# Altium PCB KK_Triangle_cubic_45.PcbDoc (part 1 of 2) (continued)
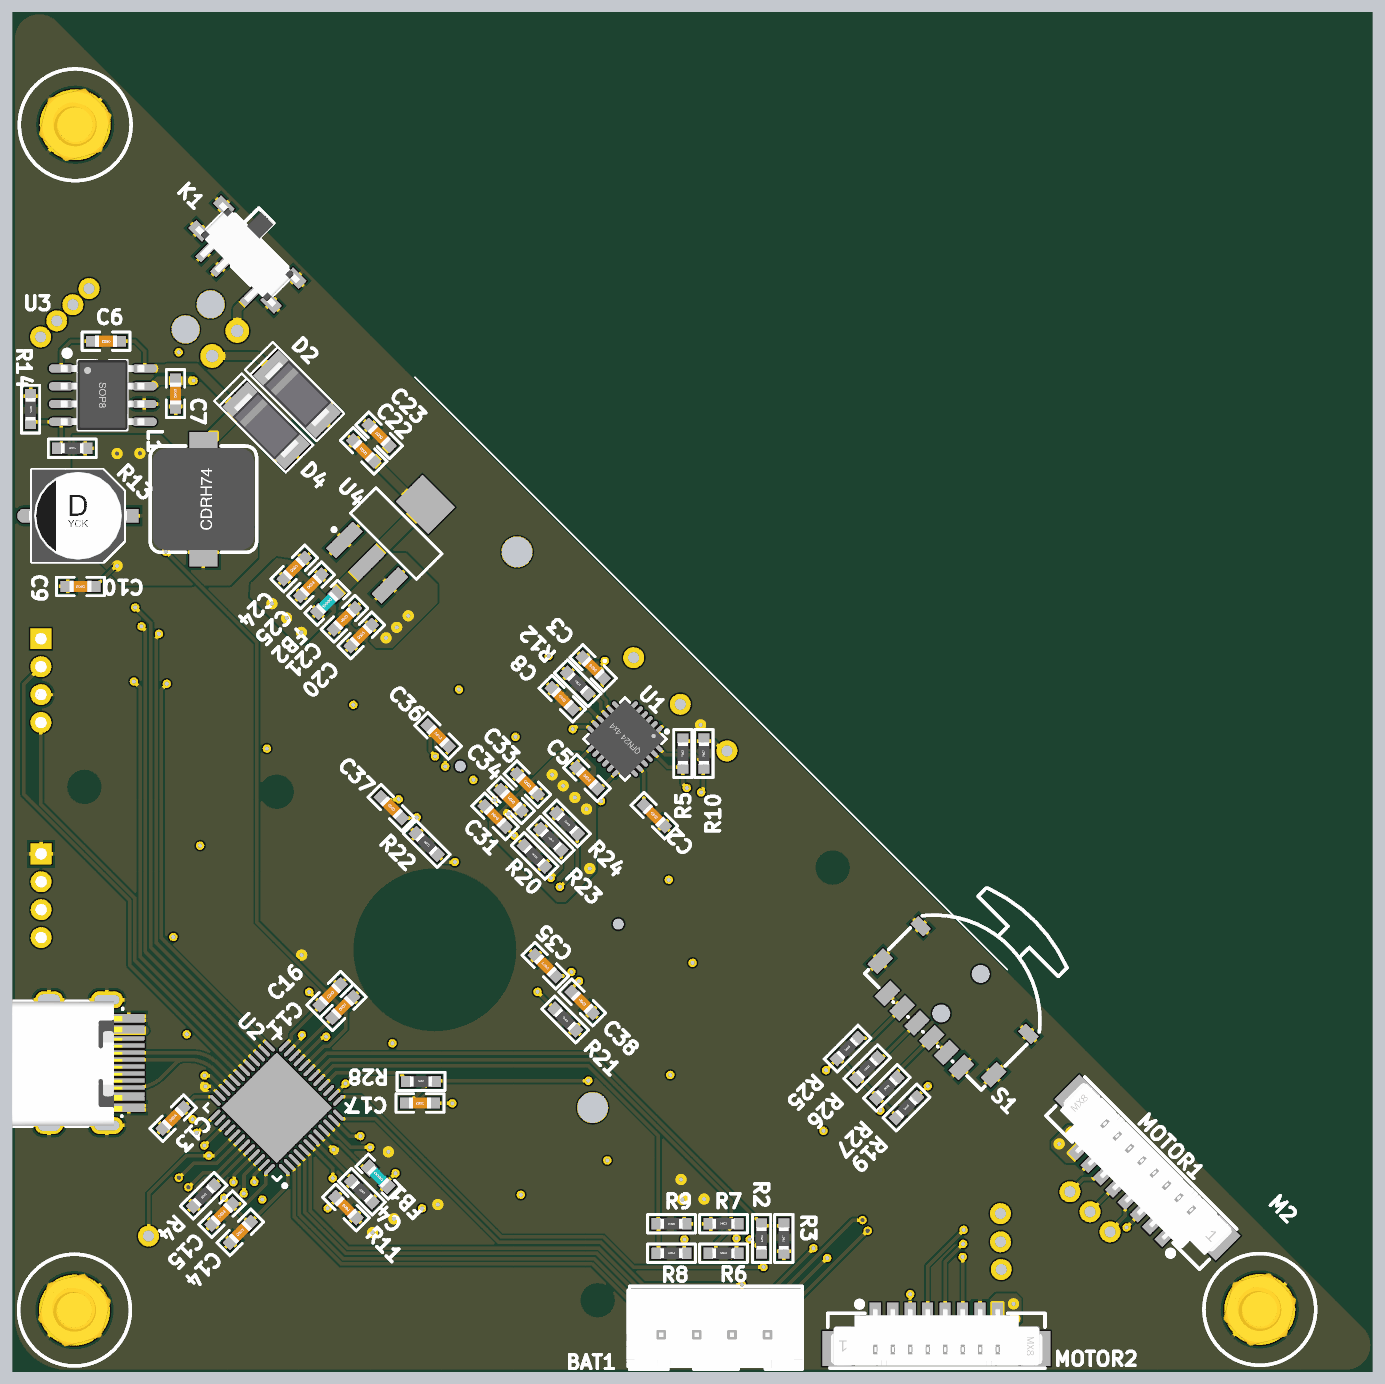
[diagram p6: 3D render of the assembled board from below, using the file's embedded part models]

## Layer stack, top to bottom
Top Solder: solder mask 0.4, Solder Resist, Dk 3.5
Top Layer: signal copper 1.4
Dielectric 2: prepreg 2.8, PP-006, Dk 4.1
POWER: signal copper 1.3778
Dielectric 1: dielectric 12.6, FR-4, Dk 4.8
GND: signal copper 1.3778
Dielectric 3: prepreg 2.8, PP-006, Dk 4.1
Bottom Layer: signal copper 1.4
Bottom Solder: solder mask 0.4, Solder Resist, Dk 3.5

## Board outline
-2569.7,-1189.28 cw(c-2569.36,-1115.39) -2621.24,-1062.78 1062.79,2621.24 cw(c1115.39,2569.36) 1189.28,2569.7 1189.28,-1047.85 cw(c1035.13,-1035.13) 1047.85,-1189.28
cut-out: -1964.07,-775.26

## Design rules (kind name [scope] priority, off if disabled: settings)
Clearance [All] p1: gap=4.92 ignorepadtopadclearanceinfootprint=TRUE except(0: Arc-Hole Track-Hole SMDPad-Hole THPad-Hole Via-Hole Fill-Hole Poly-Hole Region-Hole Text-Hole)
DiffPairsRouting [All] p1: maxlimit=10 minlimit=3.94 mostfreqgap=10 toplayer_minwidth=15 toplayer_maxwidth=15 toplayer_prefwidth=15 midlayer1_mingap=10 midlayer1_minwidth=15 midlayer1_maxwidth=15 midlayer1_prefwidth=15 midlayer2_mingap=10 midlayer2_minwidth=15 midlayer2_maxwidth=15 midlayer2_prefwidth=15 bottomlayer_minwidth=15 bottomlayer_maxwidth=15 bottomlayer_prefwidth=15 maxuncoupledlength=500
Height [All] p1: minheight=0 maxheight=1968.5 prefheight=500
HoleSize [All] p1: absolutevalues=TRUE maxlimit=11811.02 minlimit=7.87 maxpercent=80.000 minpercent=20.000
HoleToHoleClearance [All] p1: gap=5 allowstackedmicrovias=TRUE
MinimumSolderMaskSliver [All] p1: minsoldermaskwidth=0
PlaneConnect [All] p1: planeconnectstyle=Direct reliefexpansion=20 reliefentries=4 reliefconductorwidth=10 reliefairgap=10
PolygonConnect +12V [InNet('+12')] p1: connectstyle=Direct reliefconductorwidth=10 reliefentries=4 polygonreliefangle="90 Angle" airgapwidth=10
PolygonConnect PolygonConnect_3 [InNet('+12') vs HasFootprint('No Footprint')] p2: connectstyle=Direct reliefconductorwidth=10 reliefentries=4 polygonreliefangle="90 Angle" airgapwidth=10
PolygonConnect PolygonConnect_2 [All vs IsNamedPolygon('NONET_L02_P026')] p3: connectstyle=Direct reliefconductorwidth=10 reliefentries=4 polygonreliefangle="90 Angle" airgapwidth=10
PolygonConnect PolygonConnect_1 [All vs IsNamedPolygon('NONET_L02_P026')] p4: thpad.connectstyle=Direct thpad.reliefconductorwidth=10 thpad.reliefentries=4 thpad.polygonreliefangle="90 Angle" thpad.airgapwidth=10 smdpad.connectstyle=Relief smdpad.reliefconductorwidth=10 smdpad.reliefentries=4 smdpad.polygonreliefangle="90 Angle" smdpad.airgapwidth=10 via.connectstyle=Relief via.reliefconductorwidth=10 via.reliefentries=4 via.polygonreliefangle="90 Angle" via.airgapwidth=10
PolygonConnect [All] p5: thpad.connectstyle=Relief thpad.reliefconductorwidth=10 thpad.reliefentries=4 thpad.polygonreliefangle="90 Angle" thpad.airgapwidth=10 smdpad.connectstyle=Relief smdpad.reliefconductorwidth=10 smdpad.reliefentries=4 smdpad.polygonreliefangle="90 Angle" smdpad.airgapwidth=10 via.connectstyle=Direct via.reliefconductorwidth=10 via.reliefentries=4 via.polygonreliefangle="90 Angle" via.airgapwidth=10
RoutingVias [All] p1: holewidth=11.81 width=23.62 viastyle="Through Hole" minholewidth=7.87 minwidth=23.62 maxholewidth=28 maxwidth=50
SilkToSilkClearance [All] p1: silktosilkclearance=0
SilkToSolderMaskClearance [IsPad] p1: minsilkscreentomaskgap=0 clearancetoexposedcopper=TRUE
SolderMaskExpansion [All] p1: expansion=4
UnRoutedNet [All] p1: checkbadconnections=TRUE
Width [All] p1: maxlimit=39.37 minlimit=5 preferedwidth=10 toplayer_prefwidth=5 midlayer1_minwidth=10 midlayer2_minwidth=10 bottomlayer_prefwidth=5 minimp=50.000000 maximp=50.000000 favimp=50.000000
21 further rules are at their usual default settings.

## Components (designator, comment, footprint, x,y, rotation, side; value= is the part's Value field where it differs from the comment)
1 "+12" TEST_POINT#1 -560.74,823.78 r315 top
2 "+5" TEST_POINT#2 -697.21,687.31 r315 top
3 "+3.3" TEST_POINT#3 -833.68,550.84 r315 top
BAT1 "BALANCE_PORT" XH2.54-LI-4P -788.42,-1085.41 r0 bottom
C1 "TYPE_C_16Pin" USB-C-SMD_TYPE-C-USB-5 975.81,-318.2 r270 bottom locked
C2 "Cap" "C 0603_M" -618.72,378.3 r225 bottom value=2.2nF
C3 "Cap" "C 0603_M" -446.51,795.4 r45 bottom value=100nF
C4 "Cap" "C 0603_M" 250.32,-726.91 r45 bottom value=100nF
C5 "Cap" "C 0603_M" -429.21,484.37 r225 bottom value=10nF
C6 "Cap" "C 0603_M" 927.02,1716.15 r0 bottom value=10nF
C7 "Cap" "C 0603_M" 731.15,1568.63 r90 bottom value=10uF
C8 "Cap" "C 0603_M" -359.42,708.31 r225 bottom value=100nF
C9 "Cap2" "CM D(6.3*7.7)" 1006.21,1224 r180 bottom value=220uF
C10 "Cap" "C 0603_M" 999.14,1024.6 r0 bottom value=100nF
C11 "Cap" "C 0603_M" 259.44,-162 r135 bottom value=4.7uF
C12 "Cap" "C 0603_M" 692.96,695.79 r225 top value=10uF
C13 "Cap" "C 0603_M" 737.73,-474.69 r135 bottom value=10uF
C14 "Cap" "C 0603_M" 548.52,-797.04 r135 bottom value=100nF
C15 "Cap" "C 0603_M" 600.21,-745.35 r135 bottom value=100nF
C16 "Cap" "C 0603_M" 295.03,-126.41 r315 bottom value=100nF
C17 "Cap" "C 0603_M" 41.73,-432.06 r0 bottom value=4.7uF
C19 "Cap" "C 0603_M" 647.71,742.46 r225 top value=100nF
C20 "Cap" "C 0603_M" 207.58,886.54 r135 bottom value=100nF
C21 "Cap" "C 0603_M" 254.78,933.74 r135 bottom value=10uF
C22 "Cap" "C 0603_M" 200.63,1406.95 r45 bottom value=100nF
C23 "Cap" "C 0603_M" 156.79,1450.8 r45 bottom value=10uF
C24 "Cap" "C 0603_M" 396.37,1075.34 r135 bottom value=100nF
C25 "Cap" "C 0603_M" 349.17,1028.14 r135 bottom value=10uF
C30 "Cap" "C 0603_M" -1363.78,-523.08 r270 top value=100nF
C31 "Cap" "C 0603_M" -169.71,376.18 r225 bottom value=4.7uF
C32 "Cap" "C 0603_M" 680.94,1457.35 r315 top value=100nF
C33 "Cap" "C 0603_M" -260.92,467.4 r225 bottom value=1uF
C34 "Cap" "C 0603_M" -215.31,421.79 r225 bottom value=1uF
C35 "Cap" "C 0603_M" -311.83,-44.55 r45 bottom value=4.7uF
C36 "Cap" "C 0603_M" -9.19,603.16 r225 bottom value=1uF
C37 "Cap" "C 0603_M" 122.33,400.93 r225 bottom value=1uF
C38 "Cap" "C 0603_M" -415.78,-148.49 r225 bottom value=2.2uF
D1 "LED1" "LED 0805G" 195.16,-195.16 r45 top
D2 "Diode 1N4934" 1N5819(SMD) 326.35,1505.06 r45 bottom
D3 "Diode 1N4934" SOD-323 989.95,-246.07 r225 top
D4 "Diode 1N4934" 1N5819(SMD) 413.32,1416.67 r45 bottom
D5 "LED1" "LED 0805G" -464.57,803.98 r45 top
D6 "LED1" "LED 0805G" -616.02,652.53 r225 top
D7 "LED1" "LED 0805G" -812.47,456.08 r225 top
D8 "WS2812B" WS2812B-2020 557.2,-557.2 r45 top locked
D9 "WS2812B" WS2812B-2020 301.23,-728.32 r22.5 top locked
D10 "WS2812B" WS2812B-2020 0,-787.72 r0 top locked
D11 "WS2812B" WS2812B-2020 -301.23,-726.91 r337.5 top locked
D12 "WS2812B" WS2812B-2020 -726.91,301.23 r247.5 top locked
D13 "WS2812B" WS2812B-2020 -787.01,-0.71 r270 top locked
D14 "WS2812B" WS2812B-2020 -726.91,-301.23 r292.5 top locked
D15 "WS2812B" WS2812B-2020 -556.49,-556.49 r315 top locked
D16 "WS2812B" WS2812B-2020 -556.49,556.49 r225 top locked
D17 "WS2812B" WS2812B-2020 -301.23,726.91 r202.5 top locked
D18 "WS2812B" WS2812B-2020 0,787.72 r180 top locked
D19 "WS2812B" WS2812B-2020 301.93,727.61 r157.5 top locked
D20 "WS2812B" WS2812B-2020 728.32,-301.23 r67.5 top locked
D21 "WS2812B" WS2812B-2020 787.72,0 r90 top locked
D22 "WS2812B" WS2812B-2020 728.32,301.23 r112.5 top locked
D23 "WS2812B" WS2812B-2020 557.2,557.2 r135 top locked
FB1 "BLM18AG102SN1" "L 0603" 159.45,-639.58 r45 bottom
FB2 "BLM18AG102SN1" "L 0603" 303.04,978.46 r315 bottom
FB3 "BLM18AG102SN1" "L 0603" -1426.78,-525.08 r90 top
FB4 "BLM18AG102SN1" "L 0603" -1146.93,-545.53 r90 top
FB5 "BLM18AG102SN1" "L 0603" 635.69,1407.85 r135 top
FB6 "BLM18AG102SN1" "L 0603" 721.96,1608.67 r90 top
J1 "JST_COM" JST_COM 1137.73,1185.82 r45 top
K1 "SW-MSK-12C02" MSK-12C01-07 528.21,1960.81 r45 bottom locked
L1 "Inductor" CDRH74 652.66,1270.67 r270 bottom value=22uH
M1 "M3" M3x40+6_L 1014.14,2326.52 r45 bottom locked
M2 "M3" M3x40+6_L -2326.53,-1014.14 r45 bottom locked
M3 "M3" M3x40+6_L 1016.12,-1016.12 r45 bottom locked
M4 "M1_A_3V3" TEST_POINT#1 975.1,1864.64 r225 top
M5 "M1_PWM_5V" TEST_POINT#1 -1791.1,-682.36 r180 top
M6 "M1_B_3V3" TEST_POINT#1 1020.59,1819.15 r225 top
M7 "M2_PWM_5V" TEST_POINT#1 -1597.35,-901.56 r315 top
M8 "M2_A_3V3" TEST_POINT#1 1066.08,1773.66 r225 top
M9 "M1_DIR_5V" TEST_POINT#1 -1847.67,-738.93 r180 top
M10 "M2_B_3V3" TEST_POINT#1 1111.57,1728.17 r225 top
M11 "M2_DIR_5V" TEST_POINT#1 -1595.47,-823.54 r315 top
M12 "M1_DIR_5V" TEST_POINT#1 -1904.24,-795.5 r180 top
M13 "M2_DIR_5V" TEST_POINT#1 -1595.23,-743.88 r315 top
M14 "M2.2" H2.2#1 2760.11,1167.16 r225 top
M15 "M2.2" H2.2#2 -231.9,1122.02 r225 top
M16 "M2.2" H2.2#3 351.42,-1241.54 r225 top
M17 "M2.2" H2.2#4 3226.8,1633.85 r225 top
M18 "M2.2" H2.2#5 3031.64,895.63 r225 top
M19 "M2.2" H2.2#6 3187.21,1051.19 r225 top
MOTOR1 "NIDEC_MOTOR" "MX 1.25-LS-8P" -1998.99,-624.38 r45 bottom locked
MOTOR2 "NIDEC_MOTOR" "MX 1.25-LS-8P" -1414.92,-1109.45 r180 bottom locked
R1 "Res2" "R 0603_M" 323.15,-67.18 r225 top value=4.7K
R2 "Res2" "R 0603_M" -921.55,-814.1 r270 bottom value=96K
R3 "Res2" "R 0603_M" -984.32,-814.1 r90 bottom value=30K
R4 "Res2" "R 0603_M" 651.9,-693.66 r315 bottom value=10K
R5 "Res2" "R 0603_M" -699.61,553.38 r90 bottom value=4.7K
R6 "Res2" "R 0603_M" -814.32,-855.6 r180 bottom value=54K
R7 "Res2" "R 0603_M" -814.32,-772.6 r180 bottom value=30K
R8 "Res2" "R 0603_M" -667.32,-855.6 r180 bottom value=12K
R9 "Res2" "R 0603_M" -667.32,-772.6 r0 bottom value=30K
R10 "Res2" "R 0603_M" -758.81,553.58 r90 bottom value=4.7K
R11 "Res2" "R 0603_M" 205.41,-682 r225 bottom value=10K
R12 "Res2" "R 0603_M" -402.97,751.86 r225 bottom value=4.7K
R13 "Res2" "R 0603_M" 1022.48,1414.21 r180 bottom value=10K
R14 "Res2" "R 0603_M" 1139.86,1524.52 r270 bottom value=3.24K
R15 "Res2" "R 0603_M" -386.43,928.08 r315 top value=1K2
R16 "Res2" "R 0603_M" -740.69,573.82 r315 top value=500R
R17 "Res2" "R 0603_M" -937.98,376.53 r315 top value=330R
R18 "Res2" "R 0603_M" 637.81,-637.81 r45 top value=0/UN
R19 "Res2" "R 0603_M" -1330.07,-444.78 r135 bottom value=1K
R20 "Res2" "R 0603_M" -281.43,264.46 r225 bottom value=4.7K
R21 "Res2" "R 0603_M" -367.7,-196.58 r225 bottom value=910K
R22 "Res2" "R 0603_M" 22.63,298.4 r225 bottom value=4.7K/UN
R23 "Res2" "R 0603_M" -327.31,310.34 r225 bottom value=4.7K
R24 "Res2" "R 0603_M" -373.2,356.23 r225 bottom value=4.7K
R25 "Res2" "R 0603_M" -1163.83,-278.53 r135 bottom value=3K
R26 "Res2" "R 0603_M" -1219.24,-333.95 r135 bottom value=2K
R27 "Res2" "R 0603_M" -1274.66,-389.36 r135 bottom value=1K
R28 "Res2" "R 0603_M" 38.89,-371.23 r180 bottom value=4.7K
RGB_IO "RGB_IO" TEST_POINT#4 827.31,-820.24 r315 top
S1 "TM-1011A" TM-1011A -1460.01,-147.62 r225 bottom
S2 "SW-SPST" "TSW SMD-3*6*2.5" 723.81,-723.81 r225 top locked
SW1 "Header_4" PH2.0-L-Z-4P 1110.16,270.62 r270 top locked
U1 "MPU6050" "QFN24 4x4_M" -536.38,594.47 r45 bottom
U2 "STM32F401CCUX" STM-UFQFPN48_M 445.42,-445.42 r45 bottom locked
U3 "TPS5430DDAR" TPS5430DDAR 1053.21,1639.12 r270 bottom
U4 "AMS1117_3V3" SOT223_M 108.89,1173.8 r135 bottom
U5 "NRF24L01" NRF24L01_MIN 572.05,813.88 r45 top locked
U7 "SN74LVC4245APWR" TSSOP24_M -1280.59,-779.49 r0 top
U8 "0.96_OLED_128x64" 0.96_OLED -62.06,62.38 r225 top locked
U9 "SN74LVC4245APWR" TSSOP24_M 917.82,1449.57 r90 top locked
UART1 "Header_4" PH2.0-L-Z-4P 1110.85,877.08 r270 top

## Footprints (in the part's own frame and the unit in brackets; to place one, negate y for a bottom-side part, rotate by r counter-clockwise, add the part's x,y. Pads: shape width x height; smd on the part's side, far side on the other; paste and mask are expansions set on the pad)
0.96_OLED [mm] "QG-2864KSWEG01"
  rect 0.351x2.499 smd: 1(-10.149,-5.256) 2(-9.449,-5.258) 3(-8.749,-5.258) 4(-8.049,-5.258) 5(-7.349,-5.258) 6(-6.649,-5.258) 7(-5.949,-5.258) 8(-5.25,-5.258) 9(-4.55,-5.258) 10(-3.85,-5.258) 11(-3.15,-5.258) 12(-2.45,-5.258) 13(-1.75,-5.258) 14(-1.05,-5.258) 15(-0.35,-5.258) 16(0.35,-5.258) 17(1.05,-5.258) 18(1.75,-5.258) 19(2.45,-5.258) 20(3.15,-5.258) 21(3.85,-5.258) 22(4.55,-5.258) 23(5.25,-5.258) 24(5.949,-5.258) 25(6.649,-5.258) 26(7.349,-5.258) 27(8.049,-5.258) 28(8.749,-5.26) 29(9.449,-5.261) 30(10.149,-5.261)
  round 0.8 hole 0.8 unplated: ""(-8,-8.358) ""(8,-8.358)
  silkscreen extent -13.32,-12.8 13.35,7.01
1N5819(SMD) [mil] "淘宝ID:黄晶宝石"
  rect 75x100 smd: A(0,0) K(175,0)
  silkscreen extent -45,-55 240,55, body extent -15,-51 190,51, height 95
"C 0603_M" [mil] "无极性贴片电容                                淘宝ID:黄晶宝石"
  rect 40x30 smd: 1(-36.5,0) 2(36.5,0)
  silkscreen extent -67,-26 67,26, body extent -31,-16 31,16, height 32
CDRH74 [mm] "7.3*7.3*4.5mm（长宽高）"
  rect 2x2 smd: 1(-3.81,0) 2(3.81,0)
  silkscreen extent -3.81,-3.81 3.81,3.81, body extent -3.65,-3.65 3.65,3.65, height 4.5
"CM D(6.3*7.7)" [mm] "贴片电解电容，直径6.3mm，高7.7mm         淘宝ID:黄晶宝石"
  rect 2.7x1 smd: 1(3,0)
  oval 2.7x1 smd: 2(-3,0)
  silkscreen extent -3.3,-3.3 3.3,3.3, body extent -3.5,-3.3 3.5,3.3, height 7.7
H2.2#1 [mm] "H2.5"
  round 2.2 hole 2.2: 1(86.523,-52.927)
H2.2#2 [mm] "H2.5"
  round 2.2 hole 2.2: 1(0,0)
H2.2#3 [mm] "H2.5"
  round 2.2 hole 2.2: 1(0,-28.61)
H2.2#4 [mm] "H2.5"
  round 2.2 hole 2.2: 1(71.287,-28.61)
H2.2#5 [mm] "H2.5"
  round 2.2 hole 2.2: 1(96.536,-28.864)
H2.2#6 [mm] "H2.5"
  round 2.2 hole 2.2: 1(50.124,-28.864)
JST_COM [mm] "JST_COM"
  round 1.7 hole 0.9: 1(-0.381,17.932) 2(-0.381,20.472)
  round 2 hole 2: ""(2.311,17.932) ""(2.311,20.472)
  silkscreen extent -2.87,17.32 1.04,20.62
"L 0603" [mil] "小功率贴片电感        淘宝ID:黄晶宝石"
  rect 35x35 smd: 1(-35,0) 2(35,0)
  silkscreen extent -65,-25 65,25, body extent -31,-16 31,16, height 31
"LED 0805G" [mil] "绿色0805LED                              淘宝ID:黄晶宝石"
  rect 60x50 smd: 1(-50,0)
  oct 60x50 smd: 2(50,0)
  silkscreen extent -90,-35 105,35, body extent -39,-25 39,25, height 32
M3x40+6_L [mil] "M3铜柱，长：40mm，螺纹长：6mm"
  round 200 hole 125: 1(0,0)
  silkscreen extent -157,-157 157,157, body extent -106,-93 106,93, height 1577
MSK-12C01-07 [mm] "6.7*2.8*1.5mm(长宽高）      淘宝ID:黄晶宝石"
  rect 1.4x0.8 smd: 0(-3.65,-1.25) 0(-3.65,1.25) 0(3.65,-1.25) 0(3.65,1.25)
  rect 0.6x1.5 smd: 1(-2.25,1.996) 2(0.75,1.996) 3(2.25,1.996)
  round 0.8 hole 0.8: ""(-1.5,0) ""(1.5,0)
  silkscreen extent -3.35,-2.92 3.35,1.4, body extent -3.92,-2.9 3.92,2.4, height 1.5
"MX 1.25-LS-8P" [mm] "长：14.75m，宽：3.7mm，高：4.7mm"
  rect 2.1x2.5 smd: 0(-7.132,-0.381) 0(7.104,-0.381)
  rect 0.8x1.3 smd: 1(-4.389,2.261) 2(-3.139,2.261) 3(-1.889,2.261) 4(-0.639,2.261) 5(0.611,2.261) 6(1.861,2.261) 7(3.111,2.261) 8(4.361,2.261)
  silkscreen extent -7.79,-1.78 7.77,2.99, body extent -7.58,-1.6 7.58,2.5, height 4.7
NRF24L01_MIN [mm] "NRF24L01_MIN"
  oval 1x3 smd: 1(0,0) 2(1.27,0) 3(2.54,0) 4(3.81,0) 5(5.08,0) 6(6.35,0) 7(7.62,0) 8(8.89,0)
  silkscreen extent -1.65,0 10.41,18.03
PH2.0-L-Z-4P [mm] "PH2.0 4P立式直插 间距2mm        淘宝ID:黄晶宝石"
  rect 1.5x1.5 hole 0.8: 1(0,0)
  round 1.5 hole 0.8: 2(2,0) 3(4,0) 4(6,0)
  silkscreen extent -2.13,-3.08 8.03,1.82, body extent -1.98,-3 7.92,1.7, height 6
"QFN24 4x4_M" [mm] "24脚，长x宽x高：4x4x1mm，脚距：0.5mm"
  rect 0.3x1 smd: 1(-1.25,-2)
  oval 0.3x1 smd: 2(-0.75,-2) 3(-0.25,-2) 4(0.25,-2) 5(0.75,-2) 6(1.25,-2) 13(1.25,2) 14(0.75,2) 15(0.25,2) 16(-0.25,2) 17(-0.75,2) 18(-1.25,2)
  oval 1x0.3 smd: 7(2,-1.25) 8(2,-0.75) 9(2,-0.25) 10(2,0.25) 11(2,0.75) 12(2,1.25) 19(-2,1.25) 20(-2,0.75) 21(-2,0.25) 22(-2,-0.25) 23(-2,-0.75) 24(-2,-1.25)
  rect 1x1 smd: 25(0,0)
  Top Layer region: -1,1 1,1 1,-1 -0.75,-1 -1,-0.75
  silkscreen extent -2.11,-2.6 2.11,2.11, body extent -2.01,-2.01 2.01,2.01, height 0.95
"R 0603_M" [mil] "1/10W贴片电阻                             淘宝ID:黄晶宝石"
  rect 40x31.5 smd: 1(-36.5,0) 2(36.5,0)
  silkscreen extent -67,-26 68,26, body extent -31,-16 31,16, height 16
SOD-323 [mm] "1.8x1.3X0.9mm（长宽高，不包括引脚）"
  rect 1x0.8 smd: A(-1.4,0)
  oct 1x0.8 smd: K(1.4,0)
  silkscreen extent -2.11,-0.76 2.11,0.76, body extent -1.34,-0.63 1.31,0.67, height 1
SOT223_M [mm] "SOT223, 4-Leads, Body 6.5x3.5mm, Pitch 2.3mm, Lead Span 7mm, IPC Low Density"
  rect 2.7x1 smd: 1(-2.95,2.3) 2(-2.95,0) 3(-2.95,-2.3)
  rect 2.7x3.3 smd: 4(2.95,0)
  silkscreen extent -3.07,-3.35 1.3,3.47, body extent -1.85,-3.35 1.85,3.35, height 1.7
STM-UFQFPN48_M [mm] "QFN, 48-Leads, Body 7.1x7.1mm, Pitch 0.5mm, Thermal Pad 5.6x5.6mm, IPC Low Density"
  oval 1x0.25 smd: 1(-3.5,2.75) 2(-3.5,2.25) 3(-3.5,1.75) 4(-3.5,1.25) 5(-3.5,0.75) 6(-3.5,0.25) 7(-3.5,-0.25) 8(-3.5,-0.75) 9(-3.5,-1.25) 10(-3.5,-1.75) 11(-3.5,-2.25) 12(-3.5,-2.75) 25(3.5,-2.75) 26(3.5,-2.25) 27(3.5,-1.75) 28(3.5,-1.25) 29(3.5,-0.75) 30(3.5,-0.25) 31(3.5,0.25) 32(3.5,0.75) 33(3.5,1.25) 34(3.5,1.75) 35(3.5,2.25) 36(3.5,2.75)
  oval 0.25x1 smd: 13(-2.75,-3.5) 14(-2.25,-3.5) 15(-1.75,-3.5) 16(-1.25,-3.5) 17(-0.75,-3.5) 18(-0.25,-3.5) 19(0.25,-3.5) 20(0.75,-3.5) 21(1.25,-3.5) 22(1.75,-3.5) 23(2.25,-3.5) 24(2.75,-3.5) 37(2.75,3.5) 38(2.25,3.5) 39(1.75,3.5) 40(1.25,3.5) 41(0.75,3.5) 42(0.25,3.5) 43(-0.25,3.5) 44(-0.75,3.5) 45(-1.25,3.5) 46(-1.75,3.5) 47(-2.25,3.5) 48(-2.75,3.5)
  rect 5.6x5.6 smd: 49(0,0)
  silkscreen extent -4.47,-3.7 3.7,3.7, body extent -3.55,-3.55 3.55,3.55, height 0.6
TEST_POINT#1 [mm] "TEST_POINT"
  round 1.5 hole 0.8: 1(0,0)
TEST_POINT#2 [mm] "TEST_POINT"
  round 1.5 hole 0.8: 1(0,0.178)
TEST_POINT#3 [mm] "TEST_POINT"
  round 1.5 hole 0.8: 1(0,0.356)
TEST_POINT#4 [mm] "TEST_POINT"
  round 1.5 hole 0.8: 1(-0.591,-0.127)
TM-1011A [mm] "TM-1011A"
  rect 1.3x0.8 smd: a1(-5.45,2.238) a2(5.45,2.238)
  rect 1x1.6 smd: b(3.75,-2.853) c(2.25,-2.853) d(0.75,-2.853) e(-0.75,-2.853) f(-2.25,-2.853) g(-3.75,-2.853) s1(-5.75,-1.597) s2(5.75,-1.597)
  round 1.3 hole 1.3 unplated: ""(0,2.853) ""(0,-1.147)
  silkscreen extent -5.9,-3 5.9,8.27
TPS5430DDAR [mm] "TPS5430DDAR"
  oval 0.6x1.798 smd: 1(0,0) 2(1.27,0) 3(2.54,0) 4(3.81,0) 5(3.81,5.944) 6(2.54,5.944) 7(1.27,5.944) 8(0,5.944)
  rect 3.45x2.56 smd: 9(1.905,2.972)
  silkscreen extent -1.25,0.26 4.4,4.71, body extent -0.6,-0.05 4.4,5.96, height 1.9
TSSOP24_M [mm] "7.8*6.4*1mm（长宽高） 封装库来自淘宝卖家 ID：黄晶宝石"
  oval 1.7x0.35 smd: 1(-3.15,3.575) 2(-3.15,2.925) 3(-3.15,2.275) 4(-3.15,1.625) 5(-3.15,0.975) 6(-3.15,0.325) 7(-3.15,-0.325) 8(-3.15,-0.975) 9(-3.15,-1.625) 10(-3.15,-2.275) 11(-3.15,-2.925) 12(-3.15,-3.575) 13(3.15,-3.575) 14(3.15,-2.925) 15(3.15,-2.275) 16(3.15,-1.625) 17(3.15,-0.975) 18(3.15,-0.325) 19(3.15,0.325) 20(3.15,0.975) 21(3.15,1.625) 22(3.15,2.275) 23(3.15,2.925) 24(3.15,3.575)
  silkscreen extent -3.69,-3.81 1.78,4.32, body extent -3.2,-3.9 3.2,3.9, height 1.03
"TSW SMD-3*6*2.5" [mm] "3*6*2.5mm"
  rect 2x1.5 smd: 1(-3.996,-0.02) 2(3.937,0)
  silkscreen extent -3.21,-1.9 3.09,1.9, body extent -4,-1.88 4,1.62, height 2.59
USB-C-SMD_TYPE-C-USB-5 [mm]
  oval 1.2x2 hole 0.8 slot 1.6 at 90 deg: 0(-4.5,-2.85) 0(4.5,-2.85)
  oval 1.2x2.3 hole 0.7 slot 1.8 at 90 deg: 0(-4.5,1.3) 0(4.5,1.3)
  rect 0.3x2.286 smd: A1(-3.322,2.85) A4(-2.522,2.85) A5(-1.222,2.85) A6(-0.222,2.85) A7(0.278,2.85) A8(-1.722,2.85) A9(2.578,2.85) A12(3.378,2.85) B1(3.078,2.85) B4(2.278,2.85) B5(1.778,2.85) B6(0.778,2.85) B7(-0.722,2.85) B8(1.278,2.85) B9(-2.222,2.85) B12(-3.022,2.85)
  round 0.75 hole 0.75 unplated: ""(-2.878,0.793) ""(2.902,0.793)
  silkscreen extent -4.38,-5.45 4.56,2.43, body extent -4.39,-5.49 4.55,2.41, height 3.25
WS2812B-2020 [mm] "WS2812B-2020"
  rect 0.9x0.7 smd: 1(-0.915,0.55) 2(-0.915,-0.55) 3(0.915,-0.55) 4(0.915,0.55)
  silkscreen extent -1.3,-1.1 1,1.15
XH2.54-LI-4P [mm] "接插件，4P  淘宝ID:黄晶宝石   店铺网址:https://shop463601444.taobao.com"
  rect 1.7x1.7 hole 0.9: 1(-3.81,0)
  round 1.7 hole 0.9: 2(-1.27,0) 3(1.27,0) 4(3.81,0)
  silkscreen extent -6.3,-3.45 6.07,2.49, body extent -6.31,-3.3 6.31,2.4, height 7.03

## Part data
1 2 3 M4 M5 M6 M7 M8 M9 M10 M11 M12 M13 RGB_IO: library part TEST_POINT
C2 C3 C4 C5 C6 C7 C8 C9 C10 C11 C12 C13 C14 C15 C16 C17 C19 C20 C21 C22 C23 C24 C25 C30 C31 C32 C33 C34 C35 C36 C37 C38: "Capacitor", Publisher="Altium Limited"
  C2 C3 C4 C5 C6 C7 C8 C10 C11 C12 C13 C14 C15 C16 C17 C19 C20 C21 C22 C23 C24 C25 C30 C31 C32 C33 C34 C35 C36 C37 C38: LatestRevisionDate=17-Jul-2002, LatestRevisionNote="Re-released for DXP Platform.", PackageDescription="Radial Cap, Thru-Hole; 2 Leads; 0.3 in Pin Spacing", PackageReference=RAD-0.3, Published=8-Jun-2000
  C9: PackageDescription="Capacitor; 2 Leads", PackageReference=CAPR5-4X5, Published=23-Sep-2002
D1 D5 D6 D7: "Typical RED GaAs LED", LatestRevisionDate=08-Jul-2005, LatestRevisionNote="Mech Layer 1 removed.", PackageDescription="LED; 2 Leads", PackageReference=LED-1, Published=8-Jun-2000, Publisher="Altium Limited"
D2 D3 D4: "1 Amp Fast Recovery Rectifier", Code_JEDEC=DO-204-AL, ComponentLink1Description="Manufacturer Link", ComponentLink1URL=http://www.fairchildsemi.com/, ComponentLink2Description=Datasheet, ComponentLink2URL=http://www.fairchildsemi.com/ds/1N%2F1N4934.pdf, DatasheetVersion=1999, LatestRevisionDate=17-Jul-2002, LatestRevisionNote="Re-released for DXP Platform.", PackageDescription="Diode, Axial; Body 5.2 x 2.7 mm (LxDia. max), Lead Dia. 0.86 mm (max)", PackageReference=DO-41, PackageVersion=Aug-1999, Published=8-Jun-2000, Publisher="Altium Limited"
D8 D9 D10 D11 D12 D13 D14 D15 D16 D17 D18 D19 D20 D21 D22 D23: library part WS2812B_2020
R1 R2 R3 R4 R5 R6 R7 R8 R9 R10 R11 R12 R13 R14 R15 R16 R17 R18 R19 R20 R21 R22 R23 R24 R25 R26 R27 R28: "Resistor", LatestRevisionDate=17-Jul-2002, LatestRevisionNote="Re-released for DXP Platform.", PackageDescription="Axial Device, Thru-Hole; 2 Leads; 0.4 in Pin Spacing", PackageReference=AXIAL-0.4, Published=8-Jun-2000, Publisher="Altium Limited"
S2: "Single-Pole, Single-Throw Switch", LatestRevisionDate=17-Jul-2002, LatestRevisionNote="Re-released for DXP Platform.", PackageDescription="Switch; 2 Leads", PackageReference=SPST-2, Published=24-Mar-1999, Publisher="Altium Limited"
L1: Code_IEC=1005, Code_JEITA=0402, LatestRevisionDate=29-May-2009, LatestRevisionNote="IPC-7351 Footprint Added.", PackageDescription="Chip Inductor", PackageReference=0402-A, Published=8-Jun-2000, Publisher="Altium Limited"

## Via types
v1: diameter 23.62, hole 11.81, Top Layer to Bottom Layer, 126 vias
v2: diameter 19.68, hole 7.87, Top Layer to Bottom Layer, 25 vias

## Nets (pads, with @x,y where several pads share a name; then routed paths per layer and width w, separated by ;. In a path a pad name is that pad's centre, name@x,y a point inside that pad or via, vN(x,y) a via of type N, cw(c..) or ccw(c..) an arc to the next point about the centre after c; other vN are vias at no path point)
+3.3: 3.1 C3.1 C5.1 C12.2 C13.2 C14.2 C15.2 C16.2 C17.1 C19.2 C24.1 C25.1 C33.2 C34.2 D7.1 FB1.1 FB2.2 FB4.2 FB6.2 R5.2 R10.2 R11.2 R19.2 R20.2 R23.1 R24.1 SW1.4 U1.8 U1.13 U2.1 U2.24 U2.36 U2.48 U5.1 U8.6 U8.9 U8.11 | length 2303.3
  Top Layer w10: FB4.2@-1146.93,-510.53 v1(-1096.02,-510.53) ; 3.1@-831.21,555.6 D7.1@-785.24,509.64 ; v1@-207.89,381.84 v1(-207.89,383.25) -121.08,296.44 U8.11@-120.76,296.44 ; v1(-169,422.14) -169.71,422.85 -169.71,423.33 U8.9@-81.78,335.41 ; v1(-108.8,479.34) U8.6@-23.33,393.86 ; FB6.2@721.96,1643.67 v1(721.96,1685.04)
  Top Layer w15.75: U5.1@572.05,813.88 572.05,807.49 625.44,754.1 C19.2@625.44,720.19
  Top Layer w23.62: v1(417.84,935.56) 450.37,935.56 U5.1@572.05,813.88 ; C19.2@625.44,720.19 623.8,718.55 623.8,714.04 667.16,670.69 C12.2@667.16,669.98
  Bottom Layer w10: v1(-1390.35,-384.5) R19.2@-1355.88,-418.97 ; 3.1@-823.78,560.74 -814.66,560.74 -787.35,588.04 R5.2@-714.18,588.04 ; U1.8@-501.58,671.03 -501.58,671.52 -482.84,690.26 -482.84,703.2 -472.47,713.57 C3.1@-472.47,769.45 ; v1@-480.91,813.09 v1(-479.42,814.59) -472.32,807.49 C3.1@-472.32,769.59 ; U1.13@-445.9,573.59 -400.02,527.71 -400.02,513.57 C5.1@-403.4,510.18 ; v1(-49.48,-433.01) C17.1@5.69,-433.01 ; v1(110.83,-630.22) 136.87,-656.26 FB1.1@136.87,-662.17 ; FB1.1@142.54,-669.67 143.95,-669.67 R11.2@175.6,-701.32 ; C16.2@313.86,-147.07 325.99,-147.07 v1(354.29,-118.77) ; C16.2@325.06,-159.97 404.28,-239.19 404.28,-251.16 U2.24@424.54,-271.43 ; U2.1@424.54,-619.41 414.21,-629.74 414.21,-662.74 C14.2@522.71,-771.23 574.36,-719.57 574.43,-719.57 v1(594.68,-699.33) ; U2.48@466.3,-619.41 476.63,-629.74 476.63,-660.48 532.16,-716 570.86,-716 C15.2@574.4,-719.54 ; U2.36@619.41,-424.54 629.74,-414.21 677.26,-414.21 C13.2@711.92,-448.88 v1(682.8,-478)
  other v1: -436.99,229.1 -427.8,396.69 -394.92,429.57 -362.04,462.45 -330.93,493.56 376.18,895.2 459.39,976.04
+5: 2.1 C9.1 C10.1 C20.2 C21.2 D3.K D6.1 D8.4 D9.4 D10.4 D11.4 D12.4 D13.4 D14.4 D15.4 D16.4 D17.4 D18.4 D19.4 D20.4 D21.4 D22.4 D23.4 FB3.2 FB5.2 L1.2 MOTOR1.3 MOTOR2.3 R13.2 U4.3 UART1.1 | length 2333
  Top Layer w10: 2.1@-692.26,692.26 -678.98,692.26 -672.97,686.25 -613.42,686.25 D6.1@-598.57,671.4 ; D16.4@-566.65,515.71 -560.96,515.71 -560.96,511.47 v1(-468.81,419.31) -537.09,487.59 ; D17.4@-326.22,693.11 -312.69,693.11 -227.48,607.91 v1(-227.48,600.5) ; D11.4@-259.66,-720.69 -259.66,-712.19 -245.14,-697.67 -245.14,-693.45 v1(-242.54,-690.84) ; v1(-68.11,733.98) D18.4@-36.02,766.06 ; v1(36.02,-729.07) 143.5,-729.07 206.29,-666.28 295.85,-666.28 324.09,-694.53 D9.4@326.22,-694.53 ; v1(229.81,690.84) D19.4@260.37,721.39 ; v1(473.5,567.36) D23.4@516.42,567.36 ; v1(486.49,-704.28) 489.95,-704.28 531.19,-663.03 531.19,-652.43 590.1,-593.52 590.1,-582.11 564.58,-556.58 564.58,-519.2 D8.4@567.36,-516.42 ; v1(661.85,293.55) D22.4@694.53,326.22 ; v1(699.33,-238.3) 720.69,-259.66 D20.4@722.1,-259.66 ; v1(737.47,36.02) D21.4@766.06,36.02 ; v1(931.97,-338) 950.93,-319.03 950.93,-285 D3.K@952.47,-283.55 ; D3.K@945.23,-290.43 D3.K@950.98,-285.05
  Top Layer w15.75: D13.4@-765.34,-36.75 v1(-726.91,-36.77) ; D12.4@-720.69,259.66 -720.69,257.88 -660.09,197.28 v1(-659.73,197.28) ; D14.4@-693.11,-326.22 -692.73,-326.22 -666.1,-352.85 v1(-663.97,-352.85) ; D15.4@-515.71,-566.65 -514.76,-566.65 -487.44,-593.97 v1(-486.49,-593.97) ; D11.4@-260.58,-720.69 D11.4@-259.66,-720.69 ; D10.4@36.02,-766.06 v1(36.02,-729.07)
  Top Layer w23.62: FB3.2@-1426.78,-490.08 -1426.78,-426.88 -1412.94,-413.05 -1296.91,-413.05 v1(-1256.45,-453.5) ; FB5.2@610.94,1432.6 v1(544.47,1366.13) 638.52,1272.09 v1(641.35,1272.09)
  Bottom Layer w10: MOTOR1.3@-1988.64,-739.89 -1988.64,-745.03 v1(-1950.91,-782.77) v1@-1947.37,-786.3 ; MOTOR2.3@-1340.56,-1020.45 v1(-1340.56,-971.24) ; v1(895.9,1082.58) 898.51,1079.97 902.27,1079.97 957.64,1024.6 C10.1@962.64,1024.6
  other v1: 137.59,879.56 107.44,909.3 74.91,941.82 958.84,1146.93 705.9,1338.05 760.14,1392.29 831.56,1400.07 895.9,1399.36
+12: 1.1 C7.2 D2.K D5.1 J1.1 MOTOR1.8 MOTOR2.8 U3.7 | length 737.7
  Top Layer w10: 1.1@-560.74,823.78 -506.29,769.33 -380.42,769.33 v1(-321.12,828.64)
  Top Layer w23.62: J1.1@627.91,1674.43 680.24,1622.1 v1(680.24,1605.13)
  Top Layer w39.37: 1.1@-560.74,823.78 1.1@-557.91,823.78
  Bottom Layer w23.62: D2.K@450.09,1628.8 458.93,1619.96 458.93,1632.73 500.63,1674.43 J1.1@627.91,1674.43 ; v1(680.24,1605.13) C7.2@731.15,1605.13 779.62,1605.13 795.63,1589.12 U3.7@819.21,1589.12
  other v1: -1635.36,-1039.98 -1632,-998.43 -1760.7,-547.3 -1793.93,-514.07
ADC_S1: R8.1 R9.2 U2.17 | length 1388.2
  Bottom Layer w10: R8.1@-630.82,-855.6 R9.2@-630.82,-772.6 -630.1,-771.89 -630.1,-524.04 -432.86,-326.8 285.04,-326.8 U2.17@327.11,-368.86
ADC_S2: R6.1 R7.2 U2.18 | length 1546.8
  Bottom Layer w10: R7.2@-850.82,-772.6 R7.2@-846.56,-772.6 ; R6.1@-777.82,-855.6 -782.07,-855.6 -792.82,-844.85 -792.82,-826.35 R7.2@-846.56,-772.6 ; U2.18@341.03,-354.95 296.68,-310.6 -437.88,-310.6 -835.82,-708.54 -835.82,-761.85 R7.2@-846.56,-772.6
ADC_S3: R2.1 R3.2 U2.19 | length 1563.1
  Bottom Layer w10: R3.2@-984.32,-777.6 R2.1@-921.55,-777.6 -921.55,-773.17 -440.57,-292.19 -436.14,-292.19 306.11,-292.19 U2.19@354.95,-341.03
DEBUG_RX: U2.30 UART1.4 | length 1220
  Bottom Layer w10: U2.30@535.9,-341.03 845.87,-31.05 845.87,145.39 1110.85,410.36 UART1.4@1110.85,640.86
DEBUG_TX: U2.31 UART1.2 | length 1426.1
  Bottom Layer w10: U2.31@549.82,-354.95 860.79,-43.97 860.79,139.21 1159.66,438.07 1159.66,749.53 UART1.2@1110.85,798.34
GND: BAT1.4 C1.0 C1.A1 C1.A12 C1.B1 C1.B12 C2.2 C3.2 C4.1 C5.2 C7.1 C8.1 C9.2 C10.2 C11.2 C12.1 C13.1 C14.1 C15.1 C16.1 C19.1 C20.1 C21.1 C22.2 C23.2 C24.2 C25.2 C30.1 C31.1 C32.1 C33.1 C34.1 C35.2 C38.2 D2.A D4.A D8.2 D9.2 D10.2 D11.2 D12.2 D13.2 D14.2 D15.2 D16.2 D17.2 D18.2 D19.2 D20.2 D21.2 D22.2 D23.2 K1.0 K1.2 K1.3 M1.1 M2.1 M3.1 MOTOR1.7 MOTOR2.7 R1.1 R3.1 R4.2 R7.1 R9.1 R12.1 R14.1 R15.1 R16.1 R17.1 R21.2 R22.1 S1.a1 S1.a2 S1.b S1.s1 S1.s2 S2.2 SW1.1 U1.1 U1.11 U1.18 U2.8 U2.23 U2.35 U2.47 U3.6 U3.9 U4.1 U5.2 U7.2 U7.11 U7.12 U7.13 U7.22 U8.1 U8.8 U8.10 U8.12 U8.16 U8.17 U8.21 U8.22 U8.23 U8.24 U8.25 U8.29 U8.30 U9.11 U9.12 U9.13 U9.22 UART1.3 | length 380.3
  Top Layer w10: C30.1@-1363.78,-486.58 C30.1@-1363.78,-481.58 ; R1.1@348.96,-41.37 v1(375.47,-14.85) ; D20.2@734.54,-342.8 D20.2@734.54,-335.53 ; D22.2@757.56,276.23 D22.2@762.11,276.23
  Top Layer w15.75: D11.2@-347.62,-737.95 D11.2@-342.8,-733.13 ; D8.2@547.04,-597.98 D8.2@548.7,-597.98 ; U5.2@607.4,842.84 U5.2@607.4,849.24
  Bottom Layer w10: U1.18@-515.5,503.99 -469.61,458.11 -455.47,458.11 C5.2@-455.02,458.56 ; v1(285.67,-563.41) U2.8@327.11,-521.98 ; v1(374.77,-240.42) 377.37,-243.02 377.37,-252.1 U2.23@410.62,-285.35 ; U2.47@480.22,-605.61 U2.47@480.22,-605.49 508.91,-634.19 v1(508.91,-654.58) ; U2.35@605.49,-410.62 605.61,-410.62 630.86,-385.37 v1(647,-385.37)
  other v1: 175.36,-797.62 115.26,-758.73 -8.49,-718.42 -698.62,-704.28 -759.32,-702.98 -694.38,-647.71 130.98,-569.72 -749.53,634.27
KEY_ADC: R28.1 U2.16 | length 263.1
  Bottom Layer w10: R28.1@75.39,-371.23 100.14,-346.48 276.89,-346.48 U2.16@313.19,-382.78
M1_A_3V3: M4.1 U2.10 U9.17 | length 3233.1
  Top Layer w10: U9.17@956.21,1573.58 956.21,1845.75 M4.1@975.1,1864.64
  POWER w10: v1(182.43,-557.2) 135.76,-510.53 135.76,-363.94 332.25,-167.46 336.33,-167.46 512.65,8.86 512.65,1402.19 M4.1@975.1,1864.64
  Bottom Layer w10: v1(182.43,-557.2) 236.21,-557.2 U2.10@299.27,-494.14
M1_A_5V: MOTOR1.1 U9.7 | length 4190.7
  Top Layer w10: v1(-2126.27,-740.34) -2126.27,-639.93 -2068.29,-581.95 -1856.16,-369.82 -1761.4,-369.82 -1430.48,-38.89 -1430.48,102.53 -298.4,1234.61 906.51,1234.61 930.62,1258.72 U9.7@930.62,1325.55
  Bottom Layer w10: v1(-2126.27,-740.34) -2058.24,-808.37 MOTOR1.1@-2058.24,-809.49